# Altium PCB OSP_Carrier_V8.PcbDoc (part 1 of 3) (continued)
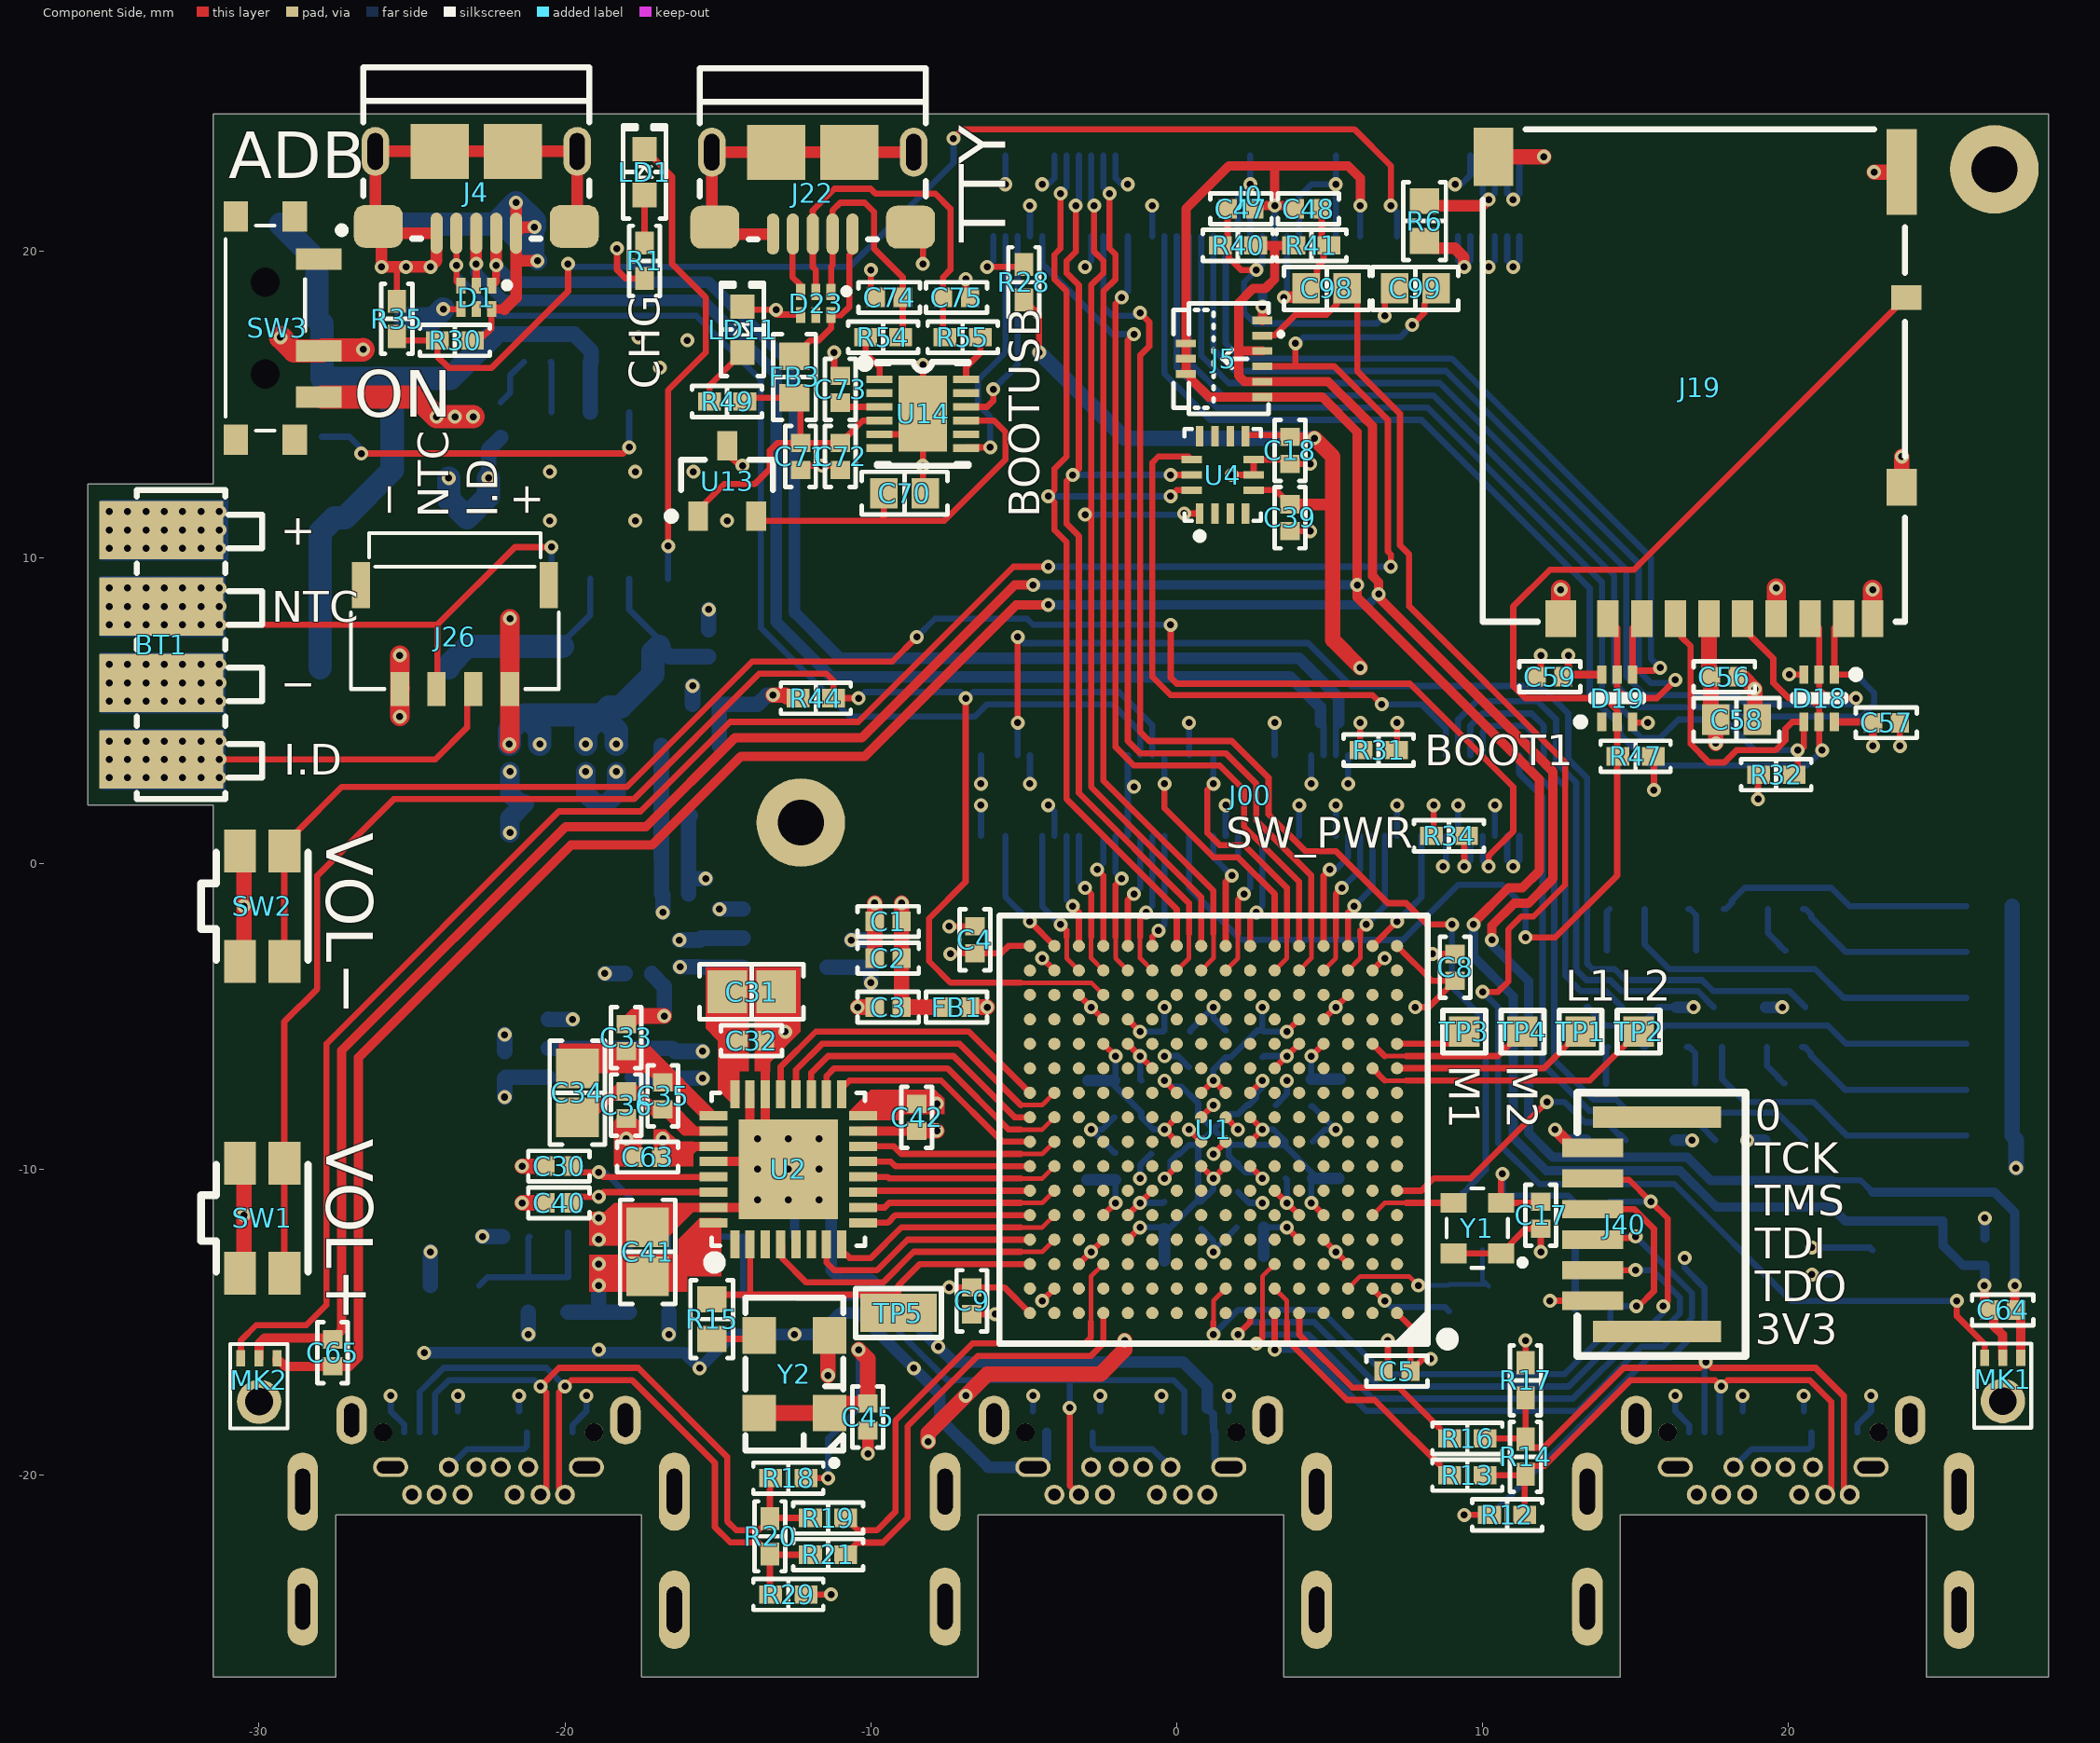
[diagram p0: Component Side view]
## Components (designator, comment, footprint, x,y, rotation, side; value= is the part's Value field where it differs from the comment) (continued)
R28 "10k" "RES 0402/1005" -5,19 r270 top
R29 "2k" "RES 0402/1005" -12.7,-23.9 r180 top
R30 "100k" "RES 0402/1005" -23.6,17.1 r0 top
R31 "10k" "RES 0402/1005" 6.6,3.7 r180 top
R32 "100k" "RES 0402/1005" 19.6,2.9 r180 top value=1K
R33 "1k" "RES 0402/1005" -17.9,-14.1 r270 bottom
R34 "10k" "RES 0402/1005" 8.9,0.9 r0 top
R35 "47k" "RES 0402/1005" -25.5,17.8 r270 top
R36 "22" "RES 0402/1005" -17.9,-11.5 r90 bottom
R37 "1k" "RES 0402/1005" -16.6,-14.1 r90 bottom
R38 "1k" "RES 0402/1005" -19.9,-14.1 r270 bottom
R39 "22" "RES 0402/1005" -19.9,-11.5 r90 bottom
R40 "10k" "RES 0402/1005" 2,20.2 r0 top
R41 "10k" "RES 0402/1005" 4.4,20.2 r180 top
R42 "1k" "RES 0402/1005" -21.2,-14.1 r90 bottom
R44 "10k" "RES 0402/1005" -11.8,5.4 r180 top
R47 "1M" "RES 0402/1005" 15,3.5 r0 top
R49 "470" "RES 0402/1005" -14.7,15.1 r180 top
R54 "33" "RES 0402/1005" -9.6,17.2 r0 top
R55 "33" "RES 0402/1005" -7,17.2 r180 top
R78 "0.0" "RES 0805/2012" -13.3,-14.2 r180 bottom
SW1 "EVQ-P7A01P" PANASONIC_EVQ-P7A -29.9,-11.6 r270 top
SW2 "EVQ-P7A01P" PANASONIC_EVQ-P7A -29.9,-1.4 r270 top
SW3 "PCM12SMTR" *SW_PCM12SMTR_PCM12SMTR(PRIMARY) -29.8,17.5 r270 top
TP1 "TP_SMD_1MM_SQ" TP_SMD_1MM_SQ 13.2,-5.5 r0 top
TP2 "TP_SMD_1MM_SQ" TP_SMD_1MM_SQ 15.1,-5.5 r90 top
TP3 "TP_SMD_1MM_SQ" TP_SMD_1MM_SQ 9.4,-5.5 r90 top
TP4 "TP_SMD_1MM_SQ" TP_SMD_1MM_SQ 11.3,-5.5 r90 top
TP5 "TP_SMD_JULIAN" TP_SMD_JULIAN -9.1,-14.7 r180 top
U1 "MachXO3LF-6900C" LCMXO3_caBGA_BG256 1.2,-8.7 r180 top locked
U2 "AD9235BCPZRL7-20" CP_32_2-M -12.7,-10 r90 top value=Value
U3 "AP7313-18SAG-7" "DIODES SOT-23-3" 23.9,-11.7 r0 bottom
U4 "BMI160" BOSCH_LGA14 1.5,12.7 r90 top
U5 "LTC4002" AD_LT_S8 -18.535,12.025 r270 bottom
U6 "BU33SD5WG" ROHM_SSOP5 -12.8,-2.445 r0 bottom
U7 "AP7313-18SAG-7" "DIODES SOT-23-3" -15.9,2.7 r270 bottom
U8 "BU33SD5WG" ROHM_SSOP5 -19.172,-6.045 r0 bottom
U13 "AP7313-18SAG-7" "DIODES SOT-23-3" -14.7,12.5 r90 top
U14 "FT234XD" FTDI_DFN12 -8.3,14.7 r0 top
Y1 "12.288 MHz" OSC_2.5x2.0mm 10.6,-12.75 r90 top
Y2 "1.544MHz" ABRACON_ASFLMB -12.5,-16.7 r90 top

## Footprints (in the part's own frame and the unit in brackets; to place one, negate y for a bottom-side part, rotate by r counter-clockwise, add the part's x,y. Pads: shape width x height; smd on the part's side, far side on the other; paste and mask are expansions set on the pad)
*SW_PCM12SMTR_PCM12SMTR(PRIMARY) [mm]
  rect 0.7x1.5 smd: 1(-2.25,1.75) 2(0.75,1.75) 3(2.25,1.75)
  round 0.9 hole 0.95 unplated: None(-1.5,0) None(1.5,0)
  rect 1x0.8 smd: S(-3.65,-0.965) S(-3.65,0.965) S(3.65,-0.965) S(3.65,0.965)
  silkscreen extent -3.35,-1.3 3.35,2.6, body extent -3.94,-2.79 3.94,1.27, height 1.4
ABRACON_ASFLMB [mm] "Abracon ASFLMB series MEMS oscillator"
  rect 1.2x1.1 smd: 1(-1.27,-1.15) 2(1.27,-1.15) 3(1.27,1.15) 4(-1.27,1.15)
  silkscreen extent -3,-1.6 2.5,1.6, body extent -2.5,-1.6 2.5,1.6, height 0.85
AD_LT_S8 [mm] "SOIC8 by Analog Devices / Linear Technology"
  rect 1.45x0.6 smd: 1(-2.725,1.905) 2(-2.725,0.635) 3(-2.725,-0.635) 4(-2.725,-1.905) 5(2.725,-1.905) 6(2.725,-0.635) 7(2.725,0.635) 8(2.725,1.905)
  silkscreen extent -2.85,-2.5 1.6,2.88, body extent -3,-2.5 3,2.5, height 1.75
AMPHENOL_10125839-04RAEHLF_DNP [mm] "Amphenol 10125839-04RAEHLF 4-pin shallow SMD connector (DO NOT POPULATE)"
  rect 0.6x1.5 smd: 0(-3.07,-1.4) 0(3.07,-1.4)
  rect 0.6x1.1 smd: 1(-1.8,2) 2(-0.6,2) 3(0.6,2) 4(1.8,2)
  silkscreen extent -3.4,-3.1 3.4,2
AMPHENOL_HFW6R-1STE1LF [mm] "Amphenol HFW6R-1STE1LF 6-pin flat flexible cable connector"
  rect 0.7x4.2 smd: 0(-3.5,-0.1) 0(3.5,-0.1)
  rect 0.6x2 smd: 1(-2.5,2) 2(-1.5,2) 3(-0.5,2) 4(0.5,2) 5(1.5,2) 6(2.5,2)
  silkscreen extent -4.3,-3 4.3,2.5, body extent -4.3,-3 4.3,2.5, height 1.9
BOSCH_LGA14 [mm] "Bosch BMI160"
  rect 0.675x0.25 smd: 1(-1.262,0.75) 2(-1.262,0.25) 3(-1.262,-0.25) 4(-1.262,-0.75) 8(1.262,-0.75) 9(1.262,-0.25) 10(1.262,0.25) 11(1.262,0.75)
  rect 0.25x0.675 smd: 5(-0.5,-1.012) 6(0,-1.012) 7(0.5,-1.012) 12(0.5,1.012) 13(0,1.012) 14(-0.5,1.012)
  silkscreen extent -2.1,-1.25 1.5,1.25, body extent -1.52,-1.27 1.52,1.27, height 0.83
"CAP 0402/1005" [mm] "Chip Capacitor, 2-Leads, Body 1.02x0.51mm, IPC Medium Density"
  rect 0.6x0.64 smd: 1(-0.44,0) 2(0.44,0)
  silkscreen extent -1,-0.5 1,0.5, body extent -0.5,-0.26 0.5,0.26, height 0.52
"CAP 0603/1608" [mm] "Chip Capacitor, 2-Leads, Body 1.60x0.80mm, IPC Medium Density"
  rect 0.9x1 smd: 1(-0.675,0) 2(0.675,0)
  silkscreen extent -1.4,-0.7 1.4,0.7, body extent -0.8,-0.41 0.8,0.41, height 0.82
"CAP 0805/2012" [mm] "Chip Capacitor, 2-Leads, Body 2.00x1.20mm, IPC Medium Density"
  rect 1.3x1.4 smd: 1(-0.8,0) 2(0.8,0)
  silkscreen extent -1.7,-0.9 1.7,0.9, body extent -1,-0.64 1,0.64, height 1.26
"CAP 1206/3216" [mm] "Chip Capacitor, 2-Leads, Body 3.25x1.60mm, IPC Medium Density"
  rect 1.3x1.8 smd: 1(-1.45,0) 2(1.45,0)
  silkscreen extent -2.37,-1.12 2.37,1.12, body extent -1.6,-0.81 1.6,0.81, height 1.62
CP_32_2-M [mil]
  rect 36x12 smd mask+5: 1(-96.5,68.9) 2(-96.5,49.21) 3(-96.5,29.53) 4(-96.5,9.84) 5(-96.5,-9.84) 6(-96.5,-29.53) 7(-96.5,-49.21) 8(-96.5,-68.9) 17(96.5,-68.9) 18(96.5,-49.21) 19(96.5,-29.53) 20(96.5,-9.84) 21(96.5,9.84) 22(96.5,29.53) 23(96.5,49.21) 24(96.5,68.9)
  rect 12x36 smd mask+5: 9(-68.9,-96.5) 10(-49.21,-96.5) 11(-29.53,-96.5) 12(-9.84,-96.5) 13(9.84,-96.5) 14(29.53,-96.5) 15(49.21,-96.5) 16(68.9,-96.5) 25(68.9,96.5) 26(49.21,96.5) 27(29.53,96.5) 28(9.84,96.5) 29(-9.84,96.5) 30(-29.53,96.5) 31(-49.21,96.5) 32(-68.9,96.5)
  rect 128x128 smd: 33(0,0)
  silkscreen extent -127,-98 98,102, body extent -85,-85 85,85, height 40
DART-SD410 [mm] "Variscite DART-SD410 SoM"
  round 2.896 hole 1.499: 0(1.81,23.19) 0(40.83,1.83)
  rect 0.2x1.14 smd: 1(25.3,4.02) 2(25.3,1.38) 3(24.9,4.02) 4(24.9,1.38) 5(24.5,4.02) 6(24.5,1.38) 7(24.1,4.02) 8(24.1,1.38) 9(23.7,4.02) 10(23.7,1.38) 11(23.3,4.02) 12(23.3,1.38) 13(22.9,4.02) 14(22.9,1.38) 15(22.5,4.02) 16(22.5,1.38) 17(22.1,4.02) 18(22.1,1.38) 19(21.7,4.02) 20(21.7,1.38) 21(21.3,4.02) 22(21.3,1.38) 23(20.9,4.02) 24(20.9,1.38) 25(20.5,4.02) 26(20.5,1.38) 27(20.1,4.02) 28(20.1,1.38) 29(19.7,4.02) 30(19.7,1.38) 31(19.3,4.02) 32(19.3,1.38) 33(18.9,4.02) 34(18.9,1.38) 35(18.5,4.02) 36(18.5,1.38) 37(18.1,4.02) 38(18.1,1.38) 39(17.7,4.02) 40(17.7,1.38) 41(17.3,4.02) 42(17.3,1.38) 43(16.9,4.02) 44(16.9,1.38) 45(16.5,4.02) 46(16.5,1.38) 47(16.1,4.02) 48(16.1,1.38) 49(15.7,4.02) 50(15.7,1.38) 51(15.3,4.02) 52(15.3,1.38) 53(14.9,4.02) 54(14.9,1.38) 55(14.5,4.02) 56(14.5,1.38) 57(14.1,4.02) 58(14.1,1.38) 59(13.7,4.02) 60(13.7,1.38) 61(13.3,4.02) 62(13.3,1.38) 63(12.9,4.02) 64(12.9,1.38) 65(12.5,4.02) 66(12.5,1.38) 67(12.1,4.02) 68(12.1,1.38) 69(11.7,4.02) 70(11.7,1.38) 71(11.3,4.02) 72(11.3,1.38) 73(10.9,4.02) 74(10.9,1.38) 75(10.5,4.02) 76(10.5,1.38) 77(10.1,4.02) 78(10.1,1.38) 79(9.7,4.02) 80(9.7,1.38) 81(9.3,4.02) 82(9.3,1.38) 83(8.9,4.02) 84(8.9,1.38) 85(8.5,4.02) 86(8.5,1.38) 87(8.1,4.02) 88(8.1,1.38) 89(7.7,4.02) 90(7.7,1.38) 101(25.3,23.62) 102(25.3,20.98) 103(24.9,23.62) 104(24.9,20.98) 105(24.5,23.62) 106(24.5,20.98) 107(24.1,23.62) 108(24.1,20.98) 109(23.7,23.62) 110(23.7,20.98) 111(23.3,23.62) 112(23.3,20.98) 113(22.9,23.62) 114(22.9,20.98) 115(22.5,23.62) 116(22.5,20.98) 117(22.1,23.62) 118(22.1,20.98) 119(21.7,23.62) 120(21.7,20.98) 121(21.3,23.62) 122(21.3,20.98) 123(20.9,23.62) 124(20.9,20.98) 125(20.5,23.62) 126(20.5,20.98) 127(20.1,23.62) 128(20.1,20.98) 129(19.7,23.62) 130(19.7,20.98) 131(19.3,23.62) 132(19.3,20.98) 133(18.9,23.62) 134(18.9,20.98) 135(18.5,23.62) 136(18.5,20.98) 137(18.1,23.62) 138(18.1,20.98) 139(17.7,23.62) 140(17.7,20.98) 141(17.3,23.62) 142(17.3,20.98) 143(16.9,23.62) 144(16.9,20.98) 145(16.5,23.62) 146(16.5,20.98) 147(16.1,23.62) 148(16.1,20.98) 149(15.7,23.62) 150(15.7,20.98) 151(15.3,23.62) 152(15.3,20.98) 153(14.9,23.62) 154(14.9,20.98) 155(14.5,23.62) 156(14.5,20.98) 157(14.1,23.62) 158(14.1,20.98) 159(13.7,23.62) 160(13.7,20.98) 161(13.3,23.62) 162(13.3,20.98) 163(12.9,23.62) 164(12.9,20.98) 165(12.5,23.62) 166(12.5,20.98) 167(12.1,23.62) 168(12.1,20.98) 169(11.7,23.62) 170(11.7,20.98) 171(11.3,23.62) 172(11.3,20.98) 173(10.9,23.62) 174(10.9,20.98) 175(10.5,23.62) 176(10.5,20.98) 177(10.1,23.62) 178(10.1,20.98) 179(9.7,23.62) 180(9.7,20.98) 181(9.3,23.62) 182(9.3,20.98) 183(8.9,23.62) 184(8.9,20.98) 185(8.5,23.62) 186(8.5,20.98) 187(8.1,23.62) 188(8.1,20.98) 189(7.7,23.62) 190(7.7,20.98)
  silkscreen extent 0,0 42.6,25, body extent 0,0 42.63,25, height 4.2
"DIODES SOT-23-3" [mm] "SOT23, 3-Leads, Body 2.90x2.40mm, Pitch 0.95mm, IPC Medium Density"
  rect 0.95x0.65 smd: 1(-1.15,0.95) 2(1.15,0) 3(-1.15,-0.95)
  silkscreen extent -1.27,-1.5 0.7,1.95, body extent -1.41,-1.45 1.41,1.45, height 1.5
"DO214AC SMA" [mm] "Molded Diode, 2-Leads, Body 4.30x2.60mm, IPC Medium Density"
  rect 2.5x1.7 smd: 1(-2,0) 2(2,0)
  silkscreen extent -3.68,-1.65 3.75,1.65, body extent -2.6,-1.37 2.6,1.37, height 2.4
"FCI USB 10118193-0001LF" [mm] "USB 2.0 Type B Micro"
  oval 0.4x1.35 smd: 1(1.3,-2.625) 2(0.65,-2.625) 3(0,-2.625) 4(-0.65,-2.625) 5(-1.3,-2.625)
  oval 0.9x1.6 hole 0.5 slot 1.2 at 90 deg: S(-3.3,0.05) S(3.3,0.05)
  rrect50% 1.6x1.4 smd: S(-3.2,-2.4) S(3.2,-2.4)
  rect 1.9x1.8 smd: S(-1.2,0.05) S(1.2,0.05)
  silkscreen extent -3.7,-2.8 3.7,2.8, body extent -3.93,-2.9 3.93,2.76, height 2.78
"FER 0402/1005" [mm] "Chip Ferrite, 2-Leads, Body 1.02x0.51mm, IPC Medium Density"
  rect 0.6x0.64 smd: 1(-0.44,0) 2(0.44,0)
  silkscreen extent -1,-0.5 1,0.5, body extent -0.5,-0.26 0.5,0.26, height 0.52
"FER 0603/1608" [mm] "Chip Ferrite, 2-Leads, Body 1.60x0.80mm, IPC Medium Density"
  rect 0.9x1 smd: 1(-0.675,0) 2(0.675,0)
  silkscreen extent -1.4,-0.7 1.4,0.7, body extent -0.8,-0.41 0.8,0.41, height 0.82
FTDI_DFN12 [mm] "DFN/SON"
  rect 0.85x0.25 smd: 1(-1.415,1.125) 2(-1.415,0.675) 3(-1.415,0.225) 4(-1.415,-0.225) 5(-1.415,-0.675) 6(-1.415,-1.125) 7(1.415,-1.125) 8(1.415,-0.675) 9(1.415,-0.225) 10(1.415,0.225) 11(1.415,0.675) 12(1.415,1.125)
  rect 1.58x2.48 smd: 13(0,0)
  silkscreen extent -1.95,-1.65 1.5,1.7, body extent -1.5,-1.5 1.5,1.5, height 0.8
"HIROSE DM3AT-SF-PEJM5" [mm]
  rect 0.7x1.2 smd: 1(3.2,7.825) 2(2.1,7.825) 3(1,7.825) 4(-0.1,7.825) 5(-1.2,7.825) 6(-2.3,7.825) 7(-3.4,7.825) 8(-4.5,7.825) 9(-5.45,7.825)
  rect 1x0.8 smd: 10(-6.55,-2.675)
  rect 1x1.2 smd: S(-6.4,3.525) S(4.75,7.825)
  rect 1x2.8 smd: S(-6.4,-6.775)
  rect 1.3x1.9 smd: S(6.95,-7.275)
  silkscreen extent -6.5,-8.18 7.3,7.93, body extent -6.52,-8.18 7.32,7.97, height 1.68
Hirose_DF40C-90DS-0.4V(51) [mm] "Hirose DF40C-90DS-0.4V(51) Board-to-Board Connector"
  rect 0.2x1.14 on Mech16: 1(8.8,-1.32) 2(8.8,1.32) 3(8.4,-1.32) 4(8.4,1.32) 5(8,-1.32) 6(8,1.32) 7(7.6,-1.32) 8(7.6,1.32) 9(7.2,-1.32) 10(7.2,1.32) 11(6.8,-1.32) 12(6.8,1.32) 13(6.4,-1.32) 14(6.4,1.32) 15(6,-1.32) 16(6,1.32) 17(5.6,-1.32) 18(5.6,1.32) 19(5.2,-1.32) 20(5.2,1.32) 21(4.8,-1.32) 22(4.8,1.32) 23(4.4,-1.32) 24(4.4,1.32) 25(4,-1.32) 26(4,1.32) 27(3.6,-1.32) 28(3.6,1.32) 29(3.2,-1.32) 30(3.2,1.32) 31(2.8,-1.32) 32(2.8,1.32) 33(2.4,-1.32) 34(2.4,1.32) 35(2,-1.32) 36(2,1.32) 37(1.6,-1.32) 38(1.6,1.32) 39(1.2,-1.32) 40(1.2,1.32) 41(0.8,-1.32) 42(0.8,1.32) 43(0.4,-1.32) 44(0.4,1.32) 45(0,-1.32) 46(0,1.32) 47(-0.4,-1.32) 48(-0.4,1.32) 49(-0.8,-1.32) 50(-0.8,1.32) 51(-1.2,-1.32) 52(-1.2,1.32) 53(-1.6,-1.32) 54(-1.6,1.32) 55(-2,-1.32) 56(-2,1.32) 57(-2.4,-1.32) 58(-2.4,1.32) 59(-2.8,-1.32) 60(-2.8,1.32) 61(-3.2,-1.32) 62(-3.2,1.32) 63(-3.6,-1.32) 64(-3.6,1.32) 65(-4,-1.32) 66(-4,1.32) 67(-4.4,-1.32) 68(-4.4,1.32) 69(-4.8,-1.32) 70(-4.8,1.32) 71(-5.2,-1.32) 72(-5.2,1.32) 73(-5.6,-1.32) 74(-5.6,1.32) 75(-6,-1.32) 76(-6,1.32) 77(-6.4,-1.32) 78(-6.4,1.32) 79(-6.8,-1.32) 80(-6.8,1.32) 81(-7.2,-1.32) 82(-7.2,1.32) 83(-7.6,-1.32) 84(-7.6,1.32) 85(-8,-1.32) 86(-8,1.32) 87(-8.4,-1.32) 88(-8.4,1.32) 89(-8.8,-1.32) 90(-8.8,1.32)
  body extent -10.3,-1.5 10.3,1.5, height 1.45
HIROSE_FH58M-7S-0.25SHW-99 [mm] "Hirose FH58M-7S-0.25SHW(99) Top+Bottom Contacts 7-pin FFC Connector"
  rect 0.25x0.65 smd: 1(0.75,-0.7) 2(0.5,1.8) 3(0.25,-0.7) 4(0,1.8) 5(-0.25,-0.7) 6(-0.5,1.8) 7(-0.75,-0.7)
  rect 0.27x0.65 smd: S(-1.25,-0.7) S(1.25,-0.7)
  silkscreen extent -1.8,-1.32 1.8,2.2, body extent -1.75,-0.91 1.75,2.19, height 0.9
LAIRD_TYS6028 [mm] "Laird TYS6028 series inductor"
  rect 2x6 smd: 1(-2.1,0) 2(2.1,0)
  silkscreen extent -0.8,-2.8 0.8,2.8, body extent -3,-3 3,3, height 2.8
LCMXO3_caBGA_BG256 [mm] "BGA, 256-Leads, Body 14.00x14.00mmx1.70mm, Pitch 0.80mm"
  round 0.4 smd: A1(-6,6) A2(-5.2,6) A3(-4.4,6) A4(-3.6,6) A5(-2.8,6) A6(-2,6) A7(-1.2,6) A8(-0.4,6) A9(0.4,6) A10(1.2,6) A11(2,6) A12(2.8,6) A13(3.6,6) A14(4.4,6) A15(5.2,6) A16(6,6) B1(-6,5.2) B2(-5.2,5.2) B3(-4.4,5.2) B4(-3.6,5.2) B5(-2.8,5.2) B6(-2,5.2) B7(-1.2,5.2) B8(-0.4,5.2) B9(0.4,5.2) B10(1.2,5.2) B11(2,5.2) B12(2.8,5.2) B13(3.6,5.2) B14(4.4,5.2) B15(5.2,5.2) B16(6,5.2) C1(-6,4.4) C2(-5.2,4.4) C3(-4.4,4.4) C4(-3.6,4.4) C5(-2.8,4.4) C6(-2,4.4) C7(-1.2,4.4) C8(-0.4,4.4) C9(0.4,4.4) C10(1.2,4.4) C11(2,4.4) C12(2.8,4.4) C13(3.6,4.4) C14(4.4,4.4) C15(5.2,4.4) C16(6,4.4) D1(-6,3.6) D2(-5.2,3.6) D3(-4.4,3.6) D4(-3.6,3.6) D5(-2.8,3.6) D6(-2,3.6) D7(-1.2,3.6) D8(-0.4,3.6) D9(0.4,3.6) D10(1.2,3.6) D11(2,3.6) D12(2.8,3.6) D13(3.6,3.6) D14(4.4,3.6) D15(5.2,3.6) D16(6,3.6) E1(-6,2.8) E2(-5.2,2.8) E3(-4.4,2.8) E4(-3.6,2.8) E5(-2.8,2.8) E6(-2,2.8) E7(-1.2,2.8) E8(-0.4,2.8) E9(0.4,2.8) E10(1.2,2.8) E11(2,2.8) E12(2.8,2.8) E13(3.6,2.8) E14(4.4,2.8) E15(5.2,2.8) E16(6,2.8) F1(-6,2) F2(-5.2,2) F3(-4.4,2) F4(-3.6,2) F5(-2.8,2) F6(-2,2) F7(-1.2,2) F8(-0.4,2) F9(0.4,2) F10(1.2,2) F11(2,2) F12(2.8,2) F13(3.6,2) F14(4.4,2) F15(5.2,2) F16(6,2) G1(-6,1.2) G2(-5.2,1.2) G3(-4.4,1.2) G4(-3.6,1.2) G5(-2.8,1.2) G6(-2,1.2) G7(-1.2,1.2) G8(-0.4,1.2) G9(0.4,1.2) G10(1.2,1.2) G11(2,1.2) G12(2.8,1.2) G13(3.6,1.2) G14(4.4,1.2) G15(5.2,1.2) G16(6,1.2) H1(-6,0.4) H2(-5.2,0.4) H3(-4.4,0.4) H4(-3.6,0.4) H5(-2.8,0.4) H6(-2,0.4) H7(-1.2,0.4) H8(-0.4,0.4) H9(0.4,0.4) H10(1.2,0.4) H11(2,0.4) H12(2.8,0.4) H13(3.6,0.4) H14(4.4,0.4) H15(5.2,0.4) H16(6,0.4) J1(-6,-0.4) J2(-5.2,-0.4) J3(-4.4,-0.4) J4(-3.6,-0.4) J5(-2.8,-0.4) J6(-2,-0.4) J7(-1.2,-0.4) J8(-0.4,-0.4) J9(0.4,-0.4) J10(1.2,-0.4) J11(2,-0.4) J12(2.8,-0.4) J13(3.6,-0.4) J14(4.4,-0.4) J15(5.2,-0.4) J16(6,-0.4) K1(-6,-1.2) K2(-5.2,-1.2) K3(-4.4,-1.2) K4(-3.6,-1.2) K5(-2.8,-1.2) K6(-2,-1.2) K7(-1.2,-1.2) K8(-0.4,-1.2) K9(0.4,-1.2) K10(1.2,-1.2) K11(2,-1.2) K12(2.8,-1.2) K13(3.6,-1.2) K14(4.4,-1.2) K15(5.2,-1.2) K16(6,-1.2) L1(-6,-2) L2(-5.2,-2) L3(-4.4,-2) L4(-3.6,-2) L5(-2.8,-2) L6(-2,-2) L7(-1.2,-2) L8(-0.4,-2) L9(0.4,-2) L10(1.2,-2) L11(2,-2) L12(2.8,-2) L13(3.6,-2) L14(4.4,-2) L15(5.2,-2) L16(6,-2) M1(-6,-2.8) M2(-5.2,-2.8) M3(-4.4,-2.8) M4(-3.6,-2.8) M5(-2.8,-2.8) M6(-2,-2.8) M7(-1.2,-2.8) M8(-0.4,-2.8) M9(0.4,-2.8) M10(1.2,-2.8) M11(2,-2.8) M12(2.8,-2.8) M13(3.6,-2.8) M14(4.4,-2.8) M15(5.2,-2.8) M16(6,-2.8) N1(-6,-3.6) N2(-5.2,-3.6) N3(-4.4,-3.6) N4(-3.6,-3.6) N5(-2.8,-3.6) N6(-2,-3.6) N7(-1.2,-3.6) N8(-0.4,-3.6) N9(0.4,-3.6) N10(1.2,-3.6) N11(2,-3.6) N12(2.8,-3.6) N13(3.6,-3.6) N14(4.4,-3.6) N15(5.2,-3.6) N16(6,-3.6) P1(-6,-4.4) P2(-5.2,-4.4) P3(-4.4,-4.4) P4(-3.6,-4.4) P5(-2.8,-4.4) P6(-2,-4.4) P7(-1.2,-4.4) P8(-0.4,-4.4) P9(0.4,-4.4) P10(1.2,-4.4) P11(2,-4.4) P12(2.8,-4.4) P13(3.6,-4.4) P14(4.4,-4.4) P15(5.2,-4.4) P16(6,-4.4) R1(-6,-5.2) R2(-5.2,-5.2) R3(-4.4,-5.2) R4(-3.6,-5.2) R5(-2.8,-5.2) R6(-2,-5.2) R7(-1.2,-5.2) R8(-0.4,-5.2) R9(0.4,-5.2) R10(1.2,-5.2) R11(2,-5.2) R12(2.8,-5.2) R13(3.6,-5.2) R14(4.4,-5.2) R15(5.2,-5.2) R16(6,-5.2) T1(-6,-6) T2(-5.2,-6) T3(-4.4,-6) T4(-3.6,-6) T5(-2.8,-6) T6(-2,-6) T7(-1.2,-6) T8(-0.4,-6) T9(0.4,-6) T10(1.2,-6) T11(2,-6) T12(2.8,-6) T13(3.6,-6) T14(4.4,-6) T15(5.2,-6) T16(6,-6)
  silkscreen extent -7.78,-7 7,7, body extent -7,-7 7,7, height 1.7
"LED 0603/1608 BLUE" [mm] "Chip Diode, 2-Leads, Body 1.60x0.80mm, IPC Medium Density"
  rect 0.8x0.8 smd: 1(-0.75,0) 2(0.75,0)
  silkscreen extent -1.52,-0.7 1.52,0.7, body extent -0.8,-0.4 0.8,0.4, height 0.53
"LED 0603/1608 GREEN" [mm] "Chip Diode, 2-Leads, Body 1.60x0.80mm, IPC Medium Density"
  rect 0.8x0.8 smd: 1(-0.75,0) 2(0.75,0)
  silkscreen extent -1.52,-0.7 1.52,0.7, body extent -0.8,-0.4 0.8,0.4, height 0.53
"LED 0603/1608 RED" [mm] "Chip Diode, 2-Leads, Body 1.60x0.80mm, IPC Medium Density"
  rect 0.8x0.8 smd: 1(-0.75,0) 2(0.75,0)
  silkscreen extent -1.52,-0.7 1.52,0.7, body extent -0.8,-0.4 0.8,0.4, height 0.53
"LED 0603/1608 YELLOW" [mm] "Chip Diode, 2-Leads, Body 1.60x0.80mm, IPC Medium Density"
  rect 0.8x0.8 smd: 1(-0.75,0) 2(0.75,0)
  silkscreen extent -1.52,-0.7 1.52,0.7, body extent -0.8,-0.4 0.8,0.4, height 0.53
MEMS_MIC [mm] "Generic 3-pin bottom mount MEMS mic"
  rect 0.29x0.53 smd: 1(-0.588,0.935) 2(0.002,0.935) 3(0.592,0.935)
  round 1.45 hole 0.9: 4(0.007,-0.48)
  silkscreen extent -0.93,-1.35 0.94,1.4, body extent -0.94,-1.35 0.94,1.4, height 0.9
"NXP SOT-323-3" [mm] "SOT323, 3-Leads, Body 2.00x2.10mm, Pitch 0.65mm, IPC Medium Density"
  rect 0.55x0.6 smd: 1(-0.925,0.65) 2(0.925,0) 3(-0.925,-0.65)
  silkscreen extent -1.07,-1.1 0.67,1.68, body extent -1.06,-1 1.06,1, height 1
NXP_SOT23 [mm] "NXP SOT23 from PMV30XPEA"
  rect 0.9x0.6 smd: 1(-1.15,0.95) 2(-1.15,-0.95) 3(1.15,0)
  silkscreen extent -1.27,-1.5 0.7,1.92, body extent -1.3,-1.5 1.3,1.5, height 1.1
OSC_2.5x2.0mm [mm] "SMD MEMS oscillator, 2.5x2.0 mm"
  rect 0.65x0.85 smd: 1(0,0) 2(1.65,0) 3(1.65,1.55) 4(0,1.55)
  silkscreen extent -0.47,-0.8 2.13,1.77, body extent -0.48,-0.25 2.12,1.8, height 0.86
PANASONIC_EVQ-P7A [mm] "EVQ-P7A01P Tact Switch SMT Right Angle"
  rect 1.4x1.05 smd mask+0.05: 1(-1.8,0.725) 1(1.8,0.725) 2(-1.8,-0.725) 2(1.8,-0.725)
  silkscreen extent -1.75,-2 1.75,1.5, body extent -2.25,-2 2.25,1.5, height 1.35
"RES 0402/1005" [mm] "Chip Resistor, 2-Leads, Body 1.0x0.5mm, IPC Medium Density"
  rect 0.75x0.6 smd: 1(-0.575,0) 2(0.575,0)
  silkscreen extent -1.14,-0.51 1.14,0.51, body extent -0.5,-0.25 0.5,0.25, height 0.35
"RES 0603/1608" [mm] "Chip Resistor, 2-Leads, Body 1.60x0.80mm, IPC Medium Density"
  rect 0.85x0.95 smd: 1(-0.65,0) 2(0.65,0)
  silkscreen extent -1.27,-0.7 1.27,0.7, body extent -0.8,-0.4 0.8,0.4, height 0.45
"RES 0805/2012" [mm] "Chip Resistor, 2-Leads, Body 2.00x1.25mm, IPC Medium Density"
  rect 1.15x1.35 smd: 1(-0.875,0) 2(0.875,0)
  silkscreen extent -1.7,-0.9 1.7,0.9, body extent -0.95,-0.62 1.05,0.63, height 0.6
ROHM_SSOP5 [mm] "ROHM SSOP5 from BUxxSD5 series datasheet"
  rect 0.95x0.6 smd: 1(-1.375,0.95) 2(-1.375,0) 3(-1.375,-0.95) 4(1.375,-0.95) 5(1.375,0.95)
  silkscreen extent -1.5,-1.55 0.5,1.92, body extent -1.5,-1.55 1.5,1.55, height 1.25
SAMSUNG_BP2000 [mm] "Samsung BP2000 2000mAh battery for Galaxy Camera 2"
  rect 4.064x1.905 smd: 1(-2.7,-8) 2(-2.7,-10.5) 3(-2.7,-13) 4(-2.7,-15.5)
  silkscreen extent -3.5,-16.8 0.6,-6.7, body extent -3.25,-46.3 59,0, height 8.97
"STACKPOLE CSR1206" [mm] "Chip Resistor, 2-Leads, Body 3.13x1.55mm, IPC Medium Density"
  rect 1.15x1.7 smd: 1(-1.575,0) 2(1.575,0)
  silkscreen extent -2.4,-1.1 2.4,1.1, body extent -1.6,-0.78 1.6,0.77, height 0.55
TE_USB-C_2129691-1 [mm] "USB-C Hybrid In-Board Mount"
  rect 0.35x0.6 smd: A1(2.75,-4.5) A2(2.25,-4.5) A3(1.75,-4.5) A4(1.25,-4.5) A5(0.75,-4.5) A6(0.25,-4.5) A7(-0.25,-4.5) A8(-0.75,-4.5) A9(-1.25,-4.5) A10(-1.75,-4.5) A11(-2.25,-4.5) A12(-2.75,-4.5)
  oval 1.15x0.65 hole 0.4 slot 0.9 at 0 deg: B1(-3.2,-3.36) B12(3.2,-3.36)
  round 0.65 hole 0.4: B2(-2.5,-2.46) B3(-1.7,-2.46) B4(-1.3,-3.36) B5(-0.85,-2.46) B6(-0.4,-3.36) B7(0.4,-3.36) B8(0.85,-2.46) B9(1.3,-3.36) B10(1.7,-2.46) B11(2.5,-2.46)
  round 0.6 hole 0.6 unplated mask+0.102: M(-3.45,-4.5) M(3.45,-4.5)
  oval 1x2.56 hole 0.5 slot 1.5 at 90 deg: S(-6.075,-2.56) S(-6.075,1.2) S(6.075,-2.56) S(6.075,1.3)
  oval 1x1.6 hole 0.5 slot 1.1 at 90 deg: S(-4.475,-4.9) S(4.475,-4.9)
  rect 0.5x0.3 smd: S(-3.2,-5.19) S(-1,-5.19) S(1,-5.19) S(3.2,-5.19)
  silkscreen extent -5.4,-5.6 5.4,1.9, body extent -6.17,-5.3 6.18,5.4, height 2.27
TI_SON6 [mm] "Small Outline No-Lead, 6 pin"
  rect 0.3x0.52 smd: 1(-0.5,-0.38) 2(0,-0.38) 3(0.5,-0.38) 4(0.5,0.38) 5(0,0.38) 6(-0.5,0.38)
  silkscreen extent -1.1,-0.5 -0.9,-0.3, body extent -0.75,-0.53 0.75,0.53, height 0.6
TI_SOT-563_DRL [mm] "SOTFL, 6-Leads, Body 1.60x1.60mm, Pitch 0.50mm, IPC Medium Density"
  rect 0.6x0.3 smd: 1(-0.775,0.5) 2(-0.775,0) 3(-0.775,-0.5) 4(0.775,-0.5) 5(0.775,0) 6(0.775,0.5)
  silkscreen extent -0.9,-0.85 0.1,1.33, body extent -0.65,-0.85 0.65,0.85, height 0.6
TP_SMD_1MM_SQ [mm] "1mm square SMD test point"
  rect 1x1 smd: 1(0,0)
  silkscreen extent -0.7,-0.7 0.7,0.7
TP_SMD_JULIAN [mm] "Julian Extra-Large SMD test point"
  rect 2.5x1.25 smd: 1(0,0)
  silkscreen extent -1.4,-0.8 1.4,0.8

## Part data
A1: "Variscite DART-SD410 System on Module"
BT1: library part SAMSUNG_BP2000, "Samsung BP2000 2000mAh battery for Galaxy Camera 2, connector AVX 9155-004-201-006", DNP=DNP
C1 C60 C71: library part C1005X5R1A475K050BC, "CAP CER 4.7UF 10V X5R 0402", Device Package="0402 (1005 Metric)", Manufacturer="TDK Corporation", Supplier Part Number 1=445-13820-2-ND, TemperatureCoefficient=X5R, TemperatureRange="-55C ~ 85C", Tolerance=10%, Voltage=10V, ComponentLink1Description=Datasheet, ComponentLink1URL=https://product.tdk.com/info/en/catalog/datasheets/mlcc_commercial_general_en.pdf, ComponentLink2Description="Digi-Key Listing", ComponentLink2URL=https://www.digikey.com/product-detail/en/tdk-corporation/C1005X5R1A475K050BC/445-13820-2-ND/3951056, PartId=12382, Part Number=C1005X5R1A475K050BC, Price=0.096, Supplier 1=Digi-Key
C2 C24 C27 C29 C42 C43 C44 C50 C54 C55 C62 C63: library part GRM155R61A105KE15D, "CAP CER 1UF 10V X5R 0402", Device Package="0402 (1005 Metric)", Manufacturer="Murata Electronics North America", Supplier Part Number 1=490-3890-2-ND, TemperatureCoefficient=X5R, TemperatureRange="-55C ~ 85C", Tolerance=10%, Voltage=10V, ComponentLink1Description=Datasheet, ComponentLink1URL=http://www.murata.com/~/media/webrenewal/support/library/catalog/products/capacitor/mlcc/c02e.pdf, ComponentLink2Description="Digi-Key Listing", ComponentLink2URL=https://www.digikey.com/product-detail/en/murata-electronics-north-america/GRM155R61A105KE15D/490-3890-2-ND/965904, PartId=12338, Part Number=GRM155R61A105KE15D, Price=0.0069, Supplier 1=Digi-Key
C3 C4 C5 C6 C7 C12 C13 C14 C15 C16 C17 C18 C19 C20 C32 C33 C35 C36 C38 C39 C45 C53 C56 C59 C61 C64 C65 C72 C73: library part C1005X7R1H104K050BB, "CAP CER 0.1UF 50V X7R 0402", Device Package="0402 (1005 Metric)", Manufacturer="TDK Corporation", Supplier Part Number 1=445-5932-2-ND, TemperatureCoefficient=X7R, TemperatureRange="-55C ~ 125C", Tolerance=10%, Voltage=50V, ComponentLink1Description=Datasheet, ComponentLink1URL=https://product.tdk.com/info/en/catalog/datasheets/mlcc_commercial_general_en.pdf, ComponentLink2Description="Digi-Key listing", ComponentLink2URL=http://digikey.com/product-detail/en/C1005X7R1H104K050BB/445-5932-2-ND/2443410, PartId=3860, Part Number=C1005X7R1H104K050BB, Price=0.0287, Supplier 1=Digi-Key, Type=-
  C45: DNP=DNP
C8 C9 C10 C11 C21 C22 C23 C25 C26 C28: library part CC0402KRX7R8BB103, "CAP CER 10000PF 25V X7R 0402", Device Package="0402 (1005 Metric)", Manufacturer=Yageo, Supplier Part Number 1=311-1337-2-ND, TemperatureCoefficient=X7R, TemperatureRange="-55C ~ 125C", Tolerance=10%, Voltage=25V, ComponentLink1Description=Datasheet, ComponentLink1URL=http://www.yageo.com/documents/recent/UPY-GPHC_X7R_6.3V-to-50V_13.pdf, ComponentLink2Description="Digi-Key Listing", ComponentLink2URL=https://www.digikey.com/product-detail/en/yageo/CC0402KRX7R8BB103/311-1337-2-ND/2103075, PartId=12361, Part Number=CC0402KRX7R8BB103, Price=0.0017, Supplier 1=Digi-Key
C30 C40: library part C1005C0G1H150F050BA, "CAP CER 15PF 50V C0G 0402", Device Package="0402 (1005 Metric)", Manufacturer="TDK Corporation", Supplier Part Number 1=445-7007-2-ND, TemperatureCoefficient="C0G, NP0", TemperatureRange="-55C ~ 125C", Tolerance=1%, Voltage=50V, ComponentLink1Description=Datasheet, ComponentLink1URL=https://product.tdk.com/info/en/catalog/datasheets/mlcc_commercial_general_en.pdf, ComponentLink2Description="Digi-Key listing", ComponentLink2URL=http://digikey.com/product-detail/en/C1005C0G1H150F050BA/445-7007-2-ND/2674809, PartId=3865, Part Number=C1005C0G1H150F050BA, Price=0.1262, Supplier 1=Digi-Key, Type=-
C31 C34 C37 C41: library part C2012X5R1A106M125AB, "CAP CER 10UF 10V X5R 0805", Device Package="0805 (2012 Metric)", Manufacturer="TDK Corporation", Supplier Part Number 1=445-7661-2-ND, TemperatureCoefficient=X5R, TemperatureRange="-55C ~ 85C", Tolerance=20%, Voltage=10V, ComponentLink1Description=Datasheet, ComponentLink1URL=https://product.tdk.com/info/en/catalog/datasheets/mlcc_commercial_general_en.pdf, ComponentLink2Description="Digi-Key listing", ComponentLink2URL=http://digikey.com/product-detail/en/C2012X5R1A106M125AB/445-7661-2-ND/2733096, PartId=4520, Part Number=C2012X5R1A106M125AB, Price=0.0521, Supplier 1=Digi-Key, Type=-
C46 C51 C52: library part C1206C106M3RACTU, "CAP CER 10UF 25V X7R 1206", Device Package="1206 (3216 Metric)", Manufacturer=Kemet, Supplier Part Number 1=399-7443-2-ND, TemperatureCoefficient=X7R, TemperatureRange="-55C ~ 125C", Tolerance=20%, Voltage=25V, ComponentLink1Description=Datasheet, ComponentLink1URL=http://www.kemet.com/docfinder?Partnumber=C1206C106M3RACTU, ComponentLink2Description="Digi-Key listing", ComponentLink2URL=http://digikey.com/product-detail/en/C1206C106M3RACTU/399-7443-2-ND/3317649, PartId=6235, Part Number=C1206C106M3RACTU, Price=0.2272, Supplier 1=Digi-Key, Type=-
C47 C48: library part C1005C0G1H330J050BA, "CAP CER 33PF 50V C0G 0402", Device Package="0402 (1005 Metric)", Manufacturer="TDK Corporation", Supplier Part Number 1=445-1241-2-ND, TemperatureCoefficient="C0G, NP0", TemperatureRange="-55C ~ 125C", Tolerance=5%, Voltage=50V, ComponentLink1Description=Datasheet, ComponentLink1URL=https://product.tdk.com/info/en/catalog/datasheets/mlcc_commercial_general_en.pdf, ComponentLink2Description="Digi-Key listing", ComponentLink2URL=http://digikey.com/product-detail/en/C1005C0G1H330J050BA/445-1241-2-ND/513687, PartId=3877, Part Number=C1005C0G1H330J050BA, Price=0.006, Supplier 1=Digi-Key, Type=-
C49: library part GRM155R61A474KE15D, "CAP CER 0.47UF 10V X5R 0402", Device Package="0402 (1005 Metric)", Manufacturer="Murata Electronics North America", Supplier Part Number 1=490-3264-2-ND, TemperatureCoefficient=X5R, TemperatureRange="-55C ~ 85C", Tolerance=10%, Voltage=10V, ComponentLink1Description=Datasheet, ComponentLink1URL=http://www.murata.com/~/media/webrenewal/support/library/catalog/products/capacitor/mlcc/c02e.pdf, ComponentLink2Description="Digi-Key Listing", ComponentLink2URL=https://www.digikey.com/product-detail/en/murata-electronics-north-america/GRM155R61A474KE15D/490-3264-2-ND/702528, PartId=12351, Part Number=GRM155R61A474KE15D, Price=0.0121, Supplier 1=Digi-Key
C57 C74 C75: library part C1005C0G1H470G050BA, "CAP CER 47PF 50V C0G 0402", Device Package="0402 (1005 Metric)", Manufacturer="TDK Corporation", Supplier Part Number 1=445-5364-2-ND, TemperatureCoefficient="C0G, NP0", TemperatureRange="-55C ~ 125C", Tolerance=2%, Voltage=50V, ComponentLink1Description=Datasheet, ComponentLink1URL=https://product.tdk.com/info/en/catalog/datasheets/mlcc_commercial_general_en.pdf, ComponentLink2Description="Digi-Key listing", ComponentLink2URL=http://digikey.com/product-detail/en/C1005C0G1H470G050BA/445-5364-2-ND/2269858, PartId=3864, Part Number=C1005C0G1H470G050BA, Price=0.1148, Supplier 1=Digi-Key, Type=-
C58 C70 C98 C99: library part C1608X7R1E105K080AB, "CAP CER 1UF 25V X7R 0603", Device Package="0603 (1608 Metric)", Manufacturer="TDK Corporation", Supplier Part Number 1=445-5956-1-ND, TemperatureCoefficient=X7R, TemperatureRange="-55C ~ 125C", Tolerance=10%, Voltage=25V, ComponentLink1Description=Datasheet, ComponentLink1URL=https://product.tdk.com/info/en/catalog/datasheets/mlcc_commercial_general_en.pdf, ComponentLink2Description="Digi-Key listing", ComponentLink2URL=http://digikey.com/product-detail/en/C1608X7R1E105K080AB/445-5956-1-ND/2443997, PartId=4041, Part Number=C1608X7R1E105K080AB, Price=0.27, Supplier 1=Digi-Key, Type=-
C107: library part C2012C0G1H102J060AA, "CAP CER 1000PF 50V C0G 0805", Device Package="0805 (2012 Metric)", Manufacturer="TDK Corporation", Supplier Part Number 1=445-1330-2-ND, TemperatureCoefficient="C0G, NP0", TemperatureRange="-55C ~ 125C", Tolerance=5%, Voltage=50V, ComponentLink1Description=Datasheet, ComponentLink1URL=https://product.tdk.com/info/en/catalog/datasheets/mlcc_commercial_general_en.pdf, ComponentLink2Description="Digi-Key listing", ComponentLink2URL=http://digikey.com/product-detail/en/C2012C0G1H102J060AA/445-1330-2-ND/513853, DNP=DNP, PartId=4403, Part Number=C2012C0G1H102J060AA, Price=0.0253, Supplier 1=Digi-Key, Type=-
D1 D23: library part TI_TPD4S012, "TI TPD4S012 USB ESD Protection"
D2 D3: library part B330A, "B330AE-13 Schottky Diode 3A 30V"
D18 D19: library part TI_TPD4E001, "TI TPD4E001 4-channel TVS ESD protection diodes"
FB1 FB2 FB4: library part CIM05U221NC, "FERRITE CHIP 220 OHM 500MA 0402", Current Rating=500mA, DC Resistance="350 mOhm Max", Device Package="0402 (1005 Metric)", Manufacturer="Samsung Electro-Mechanics America, Inc.", Supplier Part Number 1=1276-6344-2-ND, ComponentLink1Description=Datasheet, ComponentLink1URL=http://www.samsungsem.com/kr/front/downloadcms.do?path=/kr/support/product-search/bead/__icsFiles/afieldfile/2014/11/13&fileName=S_CIM05J102NC.pdf, ComponentLink2Description="Digi-Key listing", ComponentLink2URL=http://digikey.com/product-detail/en/CIM05U221NC/1276-6344-2-ND/3973776, PartId=6444, Part Number=CIM05U221NC, Price=0.0073, Supplier 1=Digi-Key, Type="Differential Mode - Single"
FB3: library part CIS10P221NC, "FERRITE CHIP 220 OHM 2500MA 0603", Current Rating=2.5A, DC Resistance="50 mOhm Max", Device Package="0603 (1608 Metric)", Manufacturer="Samsung Electro-Mechanics America, Inc.", Supplier Part Number 1=1276-6350-2-ND, ComponentLink1Description=Datasheet, ComponentLink1URL=http://media.digikey.com/pdf/Data%20Sheets/Samsung%20PDFs/CIS10P.pdf, ComponentLink2Description="Digi-Key listing", ComponentLink2URL=http://digikey.com/product-detail/en/CIS10P221NC/1276-6350-2-ND/3973857, PartId=6665, Part Number=CIS10P221NC, Price=0.031, Supplier 1=Digi-Key, Type="Differential Mode - Single"
J0 J00: library part Dummy_Hirose_SoM_Connector, "Hirose DF40C-90DS-0.4V(51) Board-to-Board Connector"
J1 J2 J3: library part TE_USB_C_2129691-1, "TE 2129691-1 USB-C Socket"
J4 J22: library part 10118193-0001LF, "CONN USB MICRO B RECPT SMT R/A", Part Number=10118193-0001LF
J5: library part HIROSE_FH58M-7S-0.25SHW-99, "Hirose FH58M-7S-0.25SHW(99) 7-pin Top+Bottom Contact FFC Connector"